# Allegro board 20250806_UNOQ.brd (continued)
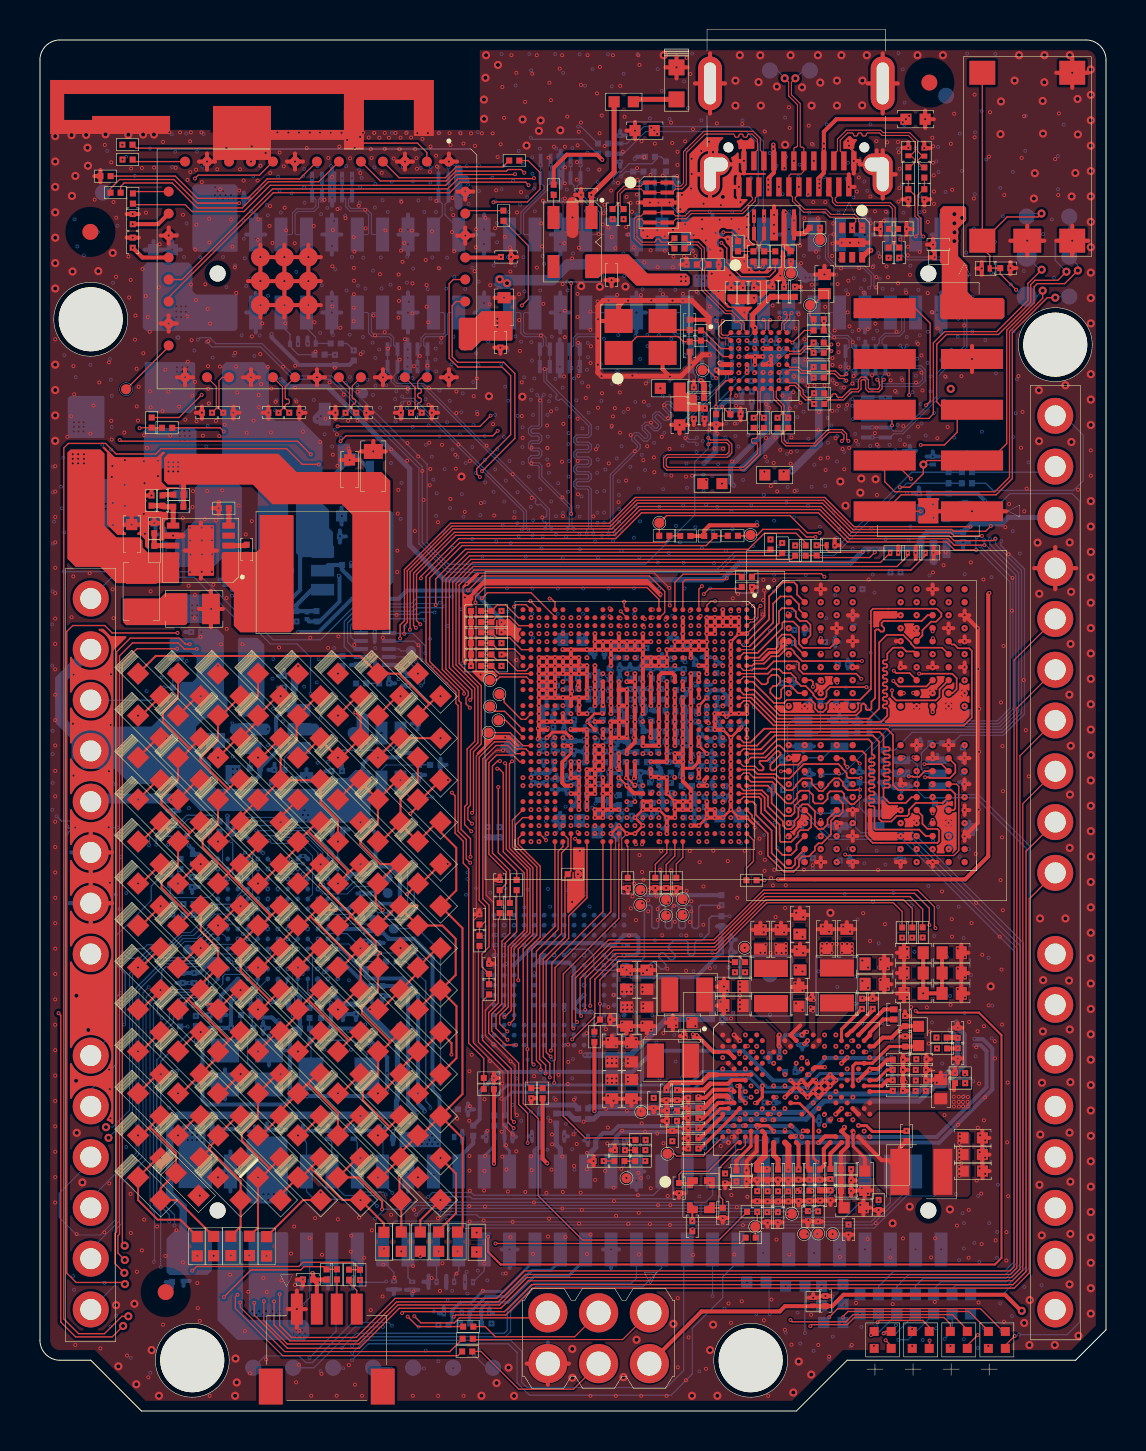
[diagram p0: board, top side]
## Routing (per net, layer and track width the routed paths; a pad name or vN(x,y) marks a point on that pad's centre or on a via; arc(x,y) is an arc through that point) (continued)
v4(10.99,61.15) v4(11.11,1.44) v4(11.22,40.38) v4(11.36,60.34) v4(11.41,55.79) v4(11.39,34.1) v4(11.41,33.3) v4(11.48,21.79) v4(11.63,36.63) v4(11.68,37.62) v4(11.66,35.13) v4(11.73,0.8) v4(11.83,50.56) v4(11.77,50.05) v4(11.91,61.74) v4(11.98,61.05) v4(12.2,35.62) v4(12.15,34.49) v4(12.18,33.63) v4(12.59,60.91) v4(12.71,62.26) v4(12.79,50.57) v4(12.78,34.1) v4(13.18,61.77) v4(13.21,36.23) v4(13.21,17.02) v4(13.7,50.58) v4(13.85,36.45) v4(13.95,37.6) v4(14.04,2) v4(14.24,48.85) v4(14.49,45.88) v4(14.48,39.88) v4(14.48,38.61) v4(14.48,37.34) v4(14.62,58.27) v4(14.61,55.51) v4(14.62,48.24) v4(14.72,59.53) v4(14.74,49.07) v4(14.72,38.17) v4(14.94,45.53) v4(15.02,46.23) v4(15.14,49.69) v4(15.06,48.68) v4(15.51,51.72) v4(15.75,18.29) v4(15.76,46.71) v4(15.88,51.31) v4(15.91,44.38) v4(16.09,61.69) v4(16.16,52.97) v4(16.39,51.59) v4(16.39,43.6) v4(16.36,42.98) v4(16.5,45.19) v4(16.73,62.21) v4(16.66,50.83) v4(16.78,61.38) v4(16.78,52.67) v4(16.79,51.28) v4(16.97,53.1) v4(17.04,51.79) v4(17.02,50.19) v4(17.02,47.7) v4(17.02,44.96) v4(17.14,60.57) v4(17.09,46.73) v4(17.11,44.47) v4(17.17,43.85) v4(17.33,51.31) v4(17.61,61.49) v4(17.57,47.42) v4(17.83,51) v4(17.77,50.62) v4(17.81,50.18) v4(17.79,49.49) v4(18.01,51.67) v4(18.05,44.62) v4(18.14,62.23) v4(18.07,60.55) v4(18.13,49.74) v4(18.09,46.43) v4(18.29,19.56) v4(18.29,17.02) v4(18.41,59.1) v4(18.41,58.36) v4(18.4,53.09) v4(18.38,50.98) v4(18.36,50.17) v4(18.46,55.49) v4(18.63,51.68) v4(18.66,61.52) v4(18.93,60.55) v4(18.94,4.21) v4(19.05,62.18) v4(19.29,50.61) v4(19.3,3.02) v4(19.5,51.62) v4(19.61,47.74) v4(19.68,46.59) v4(19.66,15.47) v4(19.71,4.97) v4(19.79,52.59) v4(19.83,52) v4(19.82,44.78) v4(19.85,45.91) v4(19.93,2.48) v4(19.99,51.04) v4(20.25,47.12) v4(20.4,5.53) v4(20.5,50.53) v4(20.52,45.16) v4(20.59,52.36) v4(20.64,51.65) v4(20.63,6.01) v4(20.83,11.94) v4(20.89,47.72) v4(21.11,45.87) v4(21.1,4.91) v4(21.21,53.48) v4(21.16,50.91) v4(21.19,44.73) v4(21.3,47.42) v4(21.35,6.96) v4(21.39,5.88) v4(21.68,51.47) v4(21.81,46.92) v4(21.94,52.31) v4(21.87,49.98) v4(21.91,7.03) v4(21.95,3.04) v4(21.96,62.3) v4(21.96,61.02) v4(22.1,37.34) v4(22.22,59.1) v4(22.21,58.37) v4(22.22,55.42) v4(22.24,45.46) v4(22.26,47.57) v4(22.28,46.45) v4(22.43,53.48) v4(22.4,29.2) v4(22.43,24.39) v4(22.41,23.77) v4(22.39,21.86) v4(22.38,6.54) v4(22.53,25.93) v4(22.5,17.53) v4(22.64,61.69) v4(22.7,45.98) v4(22.69,20.2) v4(22.69,16.25) v4(22.79,53.85) v4(22.78,47.1) v4(22.83,43.49) v4(22.77,24.41) v4(22.87,18.48) v4(23,29.2) v4(23.04,24.02) v4(23.04,23.54) v4(23.01,23.04) v4(22.98,21.27) v4(23.08,52.38) v4(23.09,22.56) v4(23.23,62.29) v4(23.16,25.25) v4(23.23,24.71) v4(23.28,51.24) v4(23.31,46.54) v4(23.26,26.16) v4(23.43,50.54) v4(23.54,20.75) v4(23.56,43.41) v4(23.64,15.31) v4(23.73,23.77) v4(23.67,19.21) v4(23.84,16.63) v4(23.95,63.03) v4(23.88,44.41) v4(23.95,23.09) v4(24.14,48.22) v4(24.11,20.24) v4(24.08,14.52) v4(24.23,51.7) v4(24.16,47.42) v4(24.23,25.2) v4(24.16,24.55) v4(24.39,26.07) v4(24.39,17.57) v4(24.51,18.43) v4(24.64,56.39) v4(24.64,53.85) v4(24.59,53.47) v4(24.62,52.54) v4(24.6,51.06) v4(24.56,50.59) v4(24.56,45.22) v4(24.57,15.5) v4(24.57,14.97) v4(24.74,51.65) v4(24.68,44.56) v4(24.73,21.9) v4(24.75,22.25) v4(25.03,19.17) v4(25.25,28.68) v4(25.23,16.62) v4(25.29,30.19) v4(25.3,29.52) v4(25.38,47.6) v4(25.41,26.11) v4(25.43,14.67) v4(25.39,13.07) v4(25.46,59.91) v4(25.54,50.78) v4(25.47,50.51) v4(25.53,25.23) v4(25.46,22.59) v4(25.52,22.02) v4(25.61,53.74) v4(25.56,23.75) v4(25.6,17.57) v4(25.71,15.65) v4(25.82,44.76) v4(25.8,30.2) v4(25.91,56.39) v4(25.91,47.5) v4(25.91,37.34) v4(25.85,28.95) v4(25.91,24.66) v4(26.02,59.11) v4(26.03,58.36) v4(26.05,61.65) v4(26.15,51.19) v4(26.11,28.41) v4(26.16,60.6) v4(26.16,44.92) v4(26.18,32.99) v4(26.23,25.12) v4(26.2,18.39) v4(26.27,53.7) v4(26.29,35.19) v4(26.3,30.23) v4(26.27,23.77) v4(26.31,14.37) v4(26.42,59.97) v4(26.42,45.98) v4(26.39,26.06) v4(26.48,47.52) v4(26.52,19.27) v4(26.64,16.64) v4(26.63,13.09) v4(26.72,22.8) v4(26.66,17.61) v4(26.74,12.07) v4(26.79,15.66) v4(26.82,14.01) v4(27,44.74) v4(27,35.61) v4(27.13,51.45) v4(27.18,23.94) v4(27.19,23.22) v4(27.22,21.3) v4(27.27,66.29) v4(27.29,32.48) v4(27.3,25.86) v4(27.41,53.42) v4(27.42,52.71) v4(27.37,52.08) v4(27.4,37.15) v4(27.5,25.23) v4(27.9,61.48) v4(27.89,53.11) v4(27.91,48.27) v4(27.87,45.98) v4(27.89,44.94) v4(27.89,44.43) v4(27.97,62.09) v4(28.05,52.37) v4(28.05,36.7) v4(28.06,34.58) v4(28.23,53.64) v4(28.24,46.02) v4(28.23,44.94) v4(28.23,44.43) v4(28.21,37.96) v4(28.28,30.67) v4(28.44,31.97) v4(28.43,30.25) v4(28.4,29.98) v4(28.55,52.67) v4(28.61,66.26) v4(28.61,51.38) v4(28.65,32.7) v4(28.84,28.97) v4(28.94,53.82) v4(28.9,52.02) v4(28.96,46.51) v4(28.99,45.12) v4(28.97,44.48) v4(28.98,31.92) v4(29.1,48.26) v4(29.11,44.06) v4(29.15,30.05) v4(29.34,53.22) v4(29.29,32.94) v4(29.5,37.07) v4(29.55,65.63) v4(29.72,43.69) v4(29.72,30.71) v4(29.79,53.78) v4(29.8,51.85) v4(29.79,50.48) v4(29.81,45.25) v4(30.03,52.62) v4(30.02,44.51) v4(30.05,31.92) v4(29.97,31.41) v4(30.12,35.61) v4(30.05,30.93) v4(30.23,49.76) v4(30.21,35) v4(30.39,53.83) v4(30.4,53.27) v4(30.45,50.3) v4(30.42,36.18) v4(30.45,32.38) v4(30.52,64.66) v4(30.45,51.52) v4(30.6,31.92) v4(30.65,32.37) v4(30.8,33.49) v4(30.94,31.48) v4(30.97,53.82) v4(30.99,45.23) v4(30.99,43.69) v4(31.14,44.52) v4(31.2,31.79) v4(31.27,37.55) v4(31.47,32.4) v4(31.82,44.27) v4(32.02,43.46) v4(31.96,32.93) v4(32.04,31.72) v4(32.15,48.29) v4(32.07,32.23) v4(32.18,45.3) v4(32.21,34.05) v4(32.35,63.09) v4(32.64,67.9) v4(32.8,49.52) v4(32.8,44.2) v4(32.79,34.52) v4(32.86,49.1) v4(32.85,47.98) v4(32.99,10.73) v4(32.99,1.98) v4(33.14,63.23) v4(33.12,49.87) v4(33.25,53.81) v4(33.34,45.34) v4(33.78,54.72) v4(34.05,28.92) v4(34,10.73) v4(34.2,46.23) v4(34.25,5.12) v4(34.48,61.47) v4(34.6,44.99) v4(34.8,48.77) v4(34.91,53.85) v4(34.99,53.41) v4(35,53.02) v4(34.95,48.24) v4(34.99,29.16) v4(35.1,62.44) v4(35.08,28.4) v4(35.19,46.58) v4(35.4,10.73) v4(35.53,63.33) v4(35.58,61.67) v4(35.59,45.3) v4(35.91,29.41) v4(35.85,4.86) v4(36.19,46.68) v4(36.22,45.82) v4(36.24,28.81) v4(36.52,62.92) v4(36.54,61.72) v4(36.5,53.92) v4(36.62,10.71) v4(36.7,15.4) v4(36.75,29.44) v4(36.85,62.29) v4(36.86,59.87) v4(36.91,28.16) v4(36.85,27.52) v4(37.34,62.74) v4(37.34,53.85) v4(37.34,52.58) v4(37.34,45.44) v4(37.31,3.92) v4(37.38,47.88) v4(37.41,46.22) v4(37.47,59.11) v4(37.47,54.72) v4(37.61,10.75) v4(37.82,50.24) v4(37.94,61.73) v4(37.87,48.01) v4(37.88,46.05) v4(37.91,28.75) v4(37.91,4.92) v4(38.02,62.34) v4(38.04,43.37) v4(38.04,3.38) v4(38.2,49.98) v4(38.22,10.9) v4(38.29,55.26) v4(38.61,62.74) v4(38.61,43.69) v4(38.61,9.4) v4(38.69,63.34) v4(38.71,3.01) v4(38.77,55.73) v4(38.84,54.77) v4(38.76,26.59) v4(38.9,49.9) v4(38.93,49.09) v4(38.9,28.68) v4(39.02,44.23) v4(38.96,21.99) v4(39.11,23.98) v4(39.22,61.7) v4(39.3,55.21) v4(39.35,50.48) v4(39.41,49.68) v4(39.48,2.59) v4(39.6,49.3) v4(39.72,62.73) v4(39.69,44.95) v4(39.74,28.13) v4(39.67,3.73) v4(39.9,55.4) v4(39.92,53.37) v4(39.9,21.21) v4(40.02,50.65) v4(39.99,44.11) v4(40.13,54.67) v4(40.09,53.92) v4(40.09,51.19) v4(40.3,63.3) v4(40.27,51.52) v4(40.33,50.12) v4(40.27,25.87) v4(40.43,62.44) v4(40.36,61.63) v4(40.42,10.36) v4(40.55,50.95) v4(40.47,28.14) v4(40.55,11.03) v4(40.56,3.23) v4(40.67,55.23) v4(40.75,55.75) v4(40.8,21.73) v4(40.78,20.36) v4(40.89,51.55) v4(40.94,45.2) v4(40.91,24.59) v4(41.04,52.96) v4(41,52.55) v4(41.06,52.06) v4(41.09,47.95) v4(41.09,47.17) v4(41.15,19.39) v4(41.09,4.21) v4(41.24,61.5) v4(41.25,27.39) v4(41.23,9.94) v4(41.3,53.09) v4(41.4,61.03) v4(41.55,54.17) v4(41.58,52.9) v4(41.63,51.11) v4(41.56,18.06) v4(41.7,53.64) v4(41.69,25.46) v4(41.85,50.02) v4(41.84,4.24) v4(41.85,3.15) v4(41.91,54.73) v4(41.88,54.05) v4(41.87,50.93) v4(41.91,49.43) v4(41.92,48.46) v4(41.93,47.78) v4(41.86,28.03) v4(41.94,11.03) v4(41.96,48.25) v4(41.97,23.39) v4(41.97,22.18) v4(41.95,10.39) v4(42.15,19.4) v4(42.17,47.1) v4(42.3,27.33) v4(42.42,58.93) v4(42.4,54.42) v4(42.51,48.33) v4(42.65,54.98) v4(42.58,49.92) v4(42.62,18.57) v4(42.6,17.73) v4(42.74,53.93) v4(42.71,52.47) v4(42.7,25.91) v4(42.79,48.06) v4(42.83,4.29) v4(42.94,63.13) v4(42.87,50.95) v4(42.89,50.11) v4(42.91,49.32) v4(42.95,67.92) v4(42.97,54.49) v4(42.97,49.74) v4(43.04,48.58) v4(43.12,61.34) v4(43.07,24.36) v4(43.1,20.74) v4(43.17,67.11) v4(43.16,3.3) v4(43.26,65.45) v4(43.26,54.97) v4(43.42,62.23) v4(43.36,50.42) v4(43.39,17.86) v4(43.38,16.25) v4(43.46,54.05) v4(43.48,49.77) v4(43.46,48.74) v4(43.55,19.34) v4(43.52,4.18) v4(43.61,25.29) v4(43.81,63.16) v4(43.76,22.97) v4(43.87,53.46) v4(43.89,52.64) v4(43.95,55.05) v4(43.95,54.16) v4(43.99,18.22) v4(44.22,16.78) v4(44.17,3.55) v4(44.51,55.87) v4(44.52,29.3) v4(44.45,26.27) v4(44.63,54.65) v4(44.63,53.49) v4(44.63,19.43) v4(44.69,28.52) v4(44.74,23.76) v4(44.84,62.51) v4(44.84,4.13) v4(44.94,63.23) v4(44.87,54.95) v4(44.94,25.21) v4(44.96,61.97) v4(45.15,17.39) v4(45.34,18.5) v4(45.32,15.48) v4(45.38,22.73) v4(45.53,20.77) v4(45.66,3.15) v4(45.83,10.85) v4(46.02,27.72) v4(45.97,25.23) v4(45.98,7.54) v4(46.12,62.02) v4(46.22,23.66) v4(46.23,15.75) v4(46.16,9.89) v4(46.23,8.13) v4(46.23,5.59) v4(46.23,3.6) v4(46.26,19.91) v4(46.39,67.9) v4(46.48,26.83) v4(46.59,21.82) v4(46.7,16.5) v4(46.76,67.04) v4(46.78,63.97) v4(46.82,17.75) v4(46.76,8.41) v4(46.95,10.76) v4(46.93,3.15) v4(46.99,7.46) v4(47.12,65.03) v4(47.23,4.15) v4(47.3,13.18) v4(47.46,22.67) v4(47.5,15.75) v4(47.5,14.48) v4(47.5,11.94) v4(47.5,9.4) v4(47.65,20.29) v4(47.62,18.64) v4(47.8,67.89) v4(47.94,11.31) v4(47.9,8.96) v4(47.88,7.66) v4(48.05,5.38) v4(48.1,3.99) v4(48.32,3.2) v4(48.63,4.75) v4(48.68,61.98) v4(49.26,6.21) v4(50.12,6.29) v5(0.65,47.23) v5(0.65,45.95) v5(0.65,43.39) v5(0.64,41) v5(0.62,39.34) v5(0.62,37.28) v5(0.63,34.03) v5(0.63,32.86) v5(0.63,31.41) v5(0.61,30.07) v5(0.7,44.48) v5(1.06,46.23) v5(1.1,45.16) v5(1.22,52.81) v5(1.17,47.68) v5(1.22,43.95) v5(1.51,42.62) v5(1.73,59.61) v5(1.68,46.91) v5(1.66,6.75) v5(1.7,6.07) v5(1.79,51.72) v5(1.86,58.26) v5(2.04,47.62) v5(2.2,57.8) v5(2.52,52.33) v5(2.55,46.91) v5(2.5,43.67) v5(2.9,58.97) v5(3.12,48.35) v5(3.1,47.47) v5(3.23,6.41) v5(3.37,63.03) v5(3.5,52.62) v5(3.54,51.59) v5(3.52,46.98) v5(3.49,27.13) v5(3.54,4.23) v5(3.6,50.78) v5(3.59,49.22) v5(3.56,48.09) v5(3.65,56.44) v5(3.79,25.82) v5(3.8,4.76) v5(3.88,59.29) v5(3.98,25.11) v5(4.05,27.72) v5(4.32,62.74) v5(4.32,25.91) v5(4.32,13.21) v5(4.53,28.5) v5(4.54,2.66) v5(4.75,61.78) v5(5.33,36.01) v5(5.5,63.16) v5(5.52,1.92) v5(6.08,36.7) v5(6.36,35.54) v5(6.42,28.34) v5(6.5,16.55) v5(6.46,15.17) v5(6.59,63.87) v5(6.61,62.22) v5(6.77,62.99) v5(6.85,58.85) v5(6.76,17.73) v5(6.86,17.02) v5(7.21,57.72) v5(7.18,25.36) v5(7.18,24.82) v5(7.32,63.91) v5(7.34,59.4) v5(7.34,37.52) v5(7.38,36.9) v5(7.5,46.48) v5(7.46,45.07) v5(7.46,30.16) v5(7.72,53.05) v5(7.8,18.54) v5(7.82,16.41) v5(7.86,62.99) v5(8.02,57.71) v5(8.14,62.24) v5(8.12,18.11) v5(8.19,63.88) v5(8.32,48.25) v5(8.29,46.91) v5(8.38,51.74) v5(8.44,50.38) v5(8.39,49.28) v5(8.54,32.83) v5(8.64,52.7) v5(9.08,19.14) v5(9.16,57.72) v5(9.33,56.22) v5(9.29,46.73) v5(9.31,11.88) v5(9.43,63.91) v5(9.4,26.61) v5(9.61,40.78) v5(9.62,34.4) v5(9.64,32.74) v5(9.69,52.8) v5(9.77,57.3) v5(10.09,53.81) v5(10.18,59.55) v5(10.2,58.64) v5(10.25,57.66) v5(10.32,56.27) v5(10.37,63.92) v5(10.39,41.81) v5(10.54,56.65) v5(10.48,39.88) v5(10.56,60.02) v5(10.67,61.77) v5(10.72,52.78) v5(10.72,46.73) v5(10.73,40.99) v5(10.81,58.64) v5(10.78,55.52) v5(10.86,57.52) v5(10.9,27.11) v5(11.03,62.26) v5(10.99,61.15) v5(10.99,53.8) v5(11.11,1.44) v5(11.23,56.71) v5(11.22,40.38) v5(11.36,60.34) v5(11.4,59.81) v5(11.41,55.79) v5(11.39,34.1) v5(11.41,33.3) v5(11.63,36.63) v5(11.68,63.95) v5(11.68,37.62) v5(11.66,35.13) v5(11.73,0.8) v5(11.79,57.68) v5(11.83,50.56) v5(11.77,50.05) v5(11.85,46.78) v5(11.91,61.74) v5(11.94,19.56) v5(11.98,61.05) v5(12.05,59.95) v5(12.2,35.62) v5(12.15,34.49) v5(12.18,33.63) v5(12.4,56.27) v5(12.36,37.77) v5(12.4,22.11) v5(12.47,57.71) v5(12.63,63.93) v5(12.59,60.91) v5(12.71,62.26) v5(12.83,56.98) v5(12.79,50.57) v5(12.83,39.5) v5(12.78,34.1) v5(12.84,32.37) v5(12.9,27.11) v5(13.07,18.1) v5(13.22,62.13) v5(13.18,61.77) v5(13.22,61.2) v5(13.24,60.44) v5(13.21,50.04) v5(13.21,36.23) v5(13.29,57.7) v5(13.36,15.74) v5(13.67,63.96) v5(13.7,50.58) v5(13.85,57.7) v5(13.85,36.45) v5(13.89,62.27) v5(13.95,37.6) v5(13.89,32.41) v5(14.02,53.93) v5(14.04,2) v5(14.07,59.87) v5(14.1,56.31) v5(14.05,34.67) v5(14.24,48.85) v5(14.22,33.69) v5(14.23,18.09) v5(14.38,60.18) v5(14.4,26.61) v5(14.4,23.11) v5(14.49,45.88) v5(14.65,63.93) v5(14.56,62.28) v5(14.62,60.7) v5(14.62,58.27) v5(14.61,55.51) v5(14.62,48.24) v5(14.72,59.53) v5(14.67,53.82) v5(14.74,49.07) v5(14.72,38.17) v5(14.78,57.11) v5(14.94,45.53) v5(15.01,60.16) v5(15.02,46.23) v5(15.14,49.69) v5(15.06,48.68) v5(15.17,15.74) v5(15.32,62.27) v5(15.27,59.79) v5(15.34,56.05) v5(15.42,19.02) v5(15.5,53.84) v5(15.51,51.72) v5(15.46,21.54) v5(15.61,57.73) v5(15.56,18.07) v5(15.75,20.83) v5(15.83,63.92) v5(15.76,46.71) v5(15.91,56.29) v5(15.88,51.31) v5(15.91,44.38) v5(15.97,62.09) v5(16.02,61.23) v5(16,60.44) v5(16.09,61.69) v5(16.18,57.69) v5(16.16,53.72) v5(16.16,52.97) v5(16.23,42.16) v5(16.28,56.15) v5(16.27,19.33) v5(16.39,51.59) v5(16.39,43.6) v5(16.36,42.98) v5(16.5,45.19) v5(16.48,18.27) v5(16.64,53.44) v5(16.73,63.92) v5(16.73,62.21) v5(16.66,57.04) v5(16.66,50.83) v5(16.7,18.9) v5(16.73,15.75) v5(16.78,61.38) v5(16.76,60.2) v5(16.78,52.67) v5(16.79,51.28) v5(16.77,38.16) v5(16.97,53.1) v5(17.04,51.79) v5(17.02,50.19) v5(17.02,47.7) v5(17.02,18.29) v5(17.14,60.57) v5(17.06,57.7) v5(17.09,56.15) v5(17.09,46.73) v5(17.11,44.47) v5(17.09,33.91) v5(17.17,43.85) v5(17.23,20.04) v5(17.33,51.31) v5(17.4,59.98) v5(17.37,36.9) v5(17.38,16.92) v5(17.54,56.34) v5(17.61,63.92) v5(17.61,61.49) v5(17.57,47.42) v5(17.83,51) v5(17.77,50.62) v5(17.81,50.18) v5(17.79,49.49) v5(17.94,36.61) v5(17.89,19.32) v5(18.01,51.67) v5(18.05,44.62) v5(18.14,62.23) v5(18.07,60.55) v5(18.13,49.74) v5(18.09,46.43) v5(18.26,39.23) v5(18.36,63.97) v5(18.41,59.1) v5(18.41,58.36) v5(18.37,57.74) v5(18.36,56.44) v5(18.4,53.09) v5(18.38,50.98) v5(18.36,50.17) v5(18.46,55.49) v5(18.63,51.68) v5(18.65,49.23) v5(18.66,61.52) v5(18.67,57.15) v5(18.93,60.55) v5(18.93,49.84) v5(18.94,4.21) v5(19.05,62.18) v5(19.16,63.92) v5(19.23,59.98) v5(19.29,50.61) v5(19.3,48.33) v5(19.3,3.02) v5(19.4,56.12) v5(19.45,49.3) v5(19.53,61.45) v5(19.54,60.65) v5(19.5,51.62) v5(19.51,38.62) v5(19.55,62.22) v5(19.63,57.7) v5(19.61,47.74) v5(19.64,37.23) v5(19.68,46.59) v5(19.71,4.97) v5(19.81,59.98) v5(19.8,53.15) v5(19.79,52.59) v5(19.83,52) v5(19.81,50.06) v5(19.82,44.78) v5(19.85,45.91) v5(19.93,2.48) v5(19.98,63.94) v5(19.99,57.15) v5(19.99,51.04) v5(20,48.76) v5(20.06,53.45) v5(20.25,47.12) v5(20.24,43.97) v5(20.33,56.14) v5(20.34,36.4) v5(20.37,57.69) v5(20.37,49.45) v5(20.41,39.26) v5(20.4,5.53) v5(20.5,50.53) v5(20.52,45.16) v5(20.6,60.12) v5(20.59,52.36) v5(20.64,51.65) v5(20.64,48.1) v5(20.64,43.18) v5(20.63,6.01) v5(20.73,56.74) v5(20.69,53.74) v5(20.75,62.38) v5(20.89,47.72) v5(21.03,63.95) v5(21.01,48.85) v5(21.12,57.7) v5(21.08,49.96) v5(21.11,45.87) v5(21.09,40.1) v5(21.13,37.4) v5(21.1,4.91) v5(21.21,59.98) v5(21.21,53.48) v5(21.16,50.91) v5(21.19,44.73) v5(21.23,38.55) v5(21.28,56.12) v5(21.3,47.42) v5(21.32,25.83) v5(21.35,62.27) v5(21.42,61.34) v5(21.45,60.38) v5(21.43,53.83) v5(21.35,6.96) v5(21.39,5.88) v5(21.49,60.83) v5(21.63,57.19) v5(21.63,48.22) v5(21.64,43.62) v5(21.68,51.47) v5(21.69,49.32) v5(21.82,52.91) v5(21.81,46.92) v5(21.82,26.15) v5(21.9,63.97) v5(21.95,56.49) v5(21.94,52.31) v5(21.87,49.98) v5(21.94,24.91) v5(21.91,7.03) v5(21.95,3.04) v5(21.96,62.3) v5(21.96,61.02) v5(22.03,44.81) v5(22.15,57.74) v5(22.14,42.74) v5(22.1,39.88) v5(22.15,18.75) v5(22.22,59.1) v5(22.21,58.37) v5(22.22,55.42) v5(22.25,48.77) v5(22.24,45.46) v5(22.2,23.71) v5(22.26,47.57) v5(22.28,46.45) v5(22.34,21.93) v5(22.27,20.57) v5(22.43,53.48) v5(22.4,29.2) v5(22.38,6.54) v5(22.53,25.93) v5(22.5,17.53) v5(22.64,61.69) v5(22.61,38.73) v5(22.7,57.3) v5(22.7,45.98) v5(22.69,16.25) v5(22.8,60.5) v5(22.84,55.83) v5(22.79,53.85) v5(22.77,49.83) v5(22.78,47.1) v5(22.83,43.49) v5(22.87,59.42) v5(22.87,58.46) v5(22.88,48.12) v5(23,29.2) v5(23.09,67.88) v5(23.1,61.12) v5(23.08,52.38) v5(23.23,62.29) v5(23.21,48.73) v5(23.23,45.49) v5(23.16,44.3) v5(23.16,25.25) v5(23.16,6.87) v5(23.28,51.24) v5(23.31,46.54) v5(23.26,26.16) v5(23.45,59.98) v5(23.42,57.72) v5(23.4,53.05) v5(23.43,50.54) v5(23.37,41.15) v5(23.4,39.99) v5(23.49,47.52) v5(23.56,43.41) v5(23.64,15.31) v5(23.67,61.53) v5(23.72,23.3) v5(23.8,66.31) v5(23.78,57.3) v5(23.79,53.76) v5(23.75,44.98) v5(23.84,16.63) v5(23.95,63.03) v5(23.89,49.78) v5(23.9,45.96) v5(23.88,44.41) v5(23.95,43.76) v5(24.02,60.35) v5(24.07,53.49) v5(24.15,49.21) v5(24.14,48.22) v5(24.08,14.52) v5(24.16,62.4) v5(24.19,57.72) v5(24.24,56.01) v5(24.23,51.7) v5(24.16,47.42) v5(24.23,25.2) v5(24.3,42.74) v5(24.38,60.72) v5(24.39,26.07) v5(24.39,17.57) v5(24.48,67.88) v5(24.46,46.74) v5(24.57,67.06) v5(24.63,62.71) v5(24.64,61.89) v5(24.59,53.47) v5(24.62,52.54) v5(24.6,51.06) v5(24.56,50.59) v5(24.56,45.22) v5(24.65,43.8) v5(24.64,41.15) v5(24.64,39.88) v5(24.57,15.5) v5(24.57,14.97) v5(24.73,61.14) v5(24.74,51.65) v5(24.67,49.82) v5(24.68,44.56) v5(24.67,38.68) v5(24.73,21.9) v5(24.76,60.01) v5(25.01,63.15) v5(25.03,56.05) v5(25.04,46.11) v5(25.15,57.77) v5(25.15,43.76) v5(25.09,43.15) v5(25.21,60.48) v5(25.22,57.38) v5(25.25,28.68) v5(25.23,16.62) v5(25.29,30.19) v5(25.3,29.52) v5(25.39,49.83) v5(25.41,48.74) v5(25.39,48.15) v5(25.38,47.6) v5(25.41,26.11) v5(25.43,14.67) v5(25.39,13.07) v5(25.46,59.91) v5(25.54,50.78) v5(25.47,50.51) v5(25.46,46.93) v5(25.53,25.23) v5(25.64,60.93) v5(25.61,53.74) v5(25.58,45.5) v5(25.6,17.57) v5(25.72,22.8) v5(25.71,15.65) v5(25.78,67.88) v5(25.83,63.15) v5(25.79,51.63) v5(25.82,44.76) v5(25.82,43.84) v5(25.8,30.2) v5(25.85,50.13) v5(25.93,46.41) v5(25.91,41.15) v5(25.91,39.88) v5(25.91,37.34) v5(25.85,28.95) v5(26.02,59.11) v5(26.03,58.36) v5(26.05,61.65) v5(26.15,51.19) v5(26.11,28.41) v5(26.18,66.94) v5(26.16,60.6) v5(26.16,44.92) v5(26.16,42.66) v5(26.18,32.99) v5(26.23,13.74) v5(26.27,53.7) v5(26.33,43.74) v5(26.29,35.19) v5(26.3,30.23) v5(26.31,14.37) v5(26.36,61.1) v5(26.42,59.97) v5(26.38,56.49) v5(26.4,56.06) v5(26.45,48.92) v5(26.44,48.37) v5(26.45,46.74) v5(26.42,45.98) v5(26.39,26.06) v5(26.51,49.74) v5(26.48,47.52) v5(26.64,63.18) v5(26.64,16.64) v5(26.63,13.09) v5(26.67,57.9) v5(26.73,51.65) v5(26.72,22.8) v5(26.66,17.61) v5(26.74,12.07) v5(26.83,50.56) v5(26.79,15.66) v5(26.82,14.01) v5(26.87,60.49) v5(26.91,45.24) v5(27,67.86) v5(27,44.74) v5(27,43.84) v5(27.02,43.11) v5(27,35.61) v5(27.13,51.45) v5(27.14,49.15) v5(27.1,45.75) v5(27.18,41.15) v5(27.18,39.88) v5(27.22,21.3) v5(27.27,66.29) v5(27.3,61.1) v5(27.32,60.03) v5(27.29,32.48) v5(27.3,25.86) v5(27.39,62.94) v5(27.43,62.1) v5(27.41,53.42) v5(27.42,52.71) v5(27.37,52.08) v5(27.45,49.94) v5(27.4,37.15) v5(27.5,25.23) v5(27.64,67.12) v5(27.75,60.63) v5(27.78,43.49) v5(27.9,61.48) v5(27.89,53.11) v5(27.89,49.18) v5(27.91,48.27) v5(27.91,47.59) v5(27.88,46.93) v5(27.87,45.98) v5(27.89,44.94) v5(27.89,44.43) v5(27.91,42.69) v5(27.97,62.09) v5(28.13,56.8) v5(28.05,52.37) v5(28.09,50.52) v5(28.12,43.79) v5(28.05,36.7) v5(28.06,34.58) v5(28.23,53.64) v5(28.24,46.02) v5(28.23,44.94) v5(28.23,44.43) v5(28.25,39.77) v5(28.21,37.96) v5(28.3,60.08) v5(28.29,47.09) v5(28.28,30.67) v5(28.43,67.86) v5(28.45,41.15) v5(28.44,31.97) v5(28.43,30.25) v5(28.4,29.98) v5(28.55,52.67) v5(28.61,66.26) v5(28.61,51.38) v5(28.6,49.21) v5(28.65,32.7) v5(28.67,43.51) v5(28.72,24.3) v5(28.72,22.8) v5(28.84,28.97) v5(28.94,53.82) v5(28.9,52.02) v5(28.86,47.65) v5(28.97,59.95) v5(28.96,46.51) v5(28.97,45.82) v5(28.99,45.12) v5(28.97,44.48) v5(28.98,31.92) v5(29.1,48.26) v5(29.11,44.06) v5(29.09,43.02) v5(29.15,30.05) v5(29.2,66.89) v5(29.2,57.9) v5(29.24,56.78) v5(29.2,49.97) v5(29.2,17.35) v5(29.18,12.29) v5(29.34,53.22) v5(29.29,32.94) v5(29.54,47.23) v5(29.5,37.07) v5(29.55,65.63) v5(29.72,43.69) v5(29.72,41.15) v5(29.72,39.88) v5(29.72,30.71) v5(29.73,21.21) v5(29.79,53.78) v5(29.8,51.85) v5(29.79,50.48) v5(29.81,45.25) v5(29.78,19.93) v5(29.77,18.82) v5(29.78,13.24) v5(29.84,11.53) v5(29.9,67.88) v5(29.86,16.64) v5(30.03,52.62) v5(29.95,46.14) v5(30.02,44.51) v5(29.98,42.72) v5(30.05,31.92) v5(29.97,31.41) v5(30.03,29.69) v5(30.15,56.11) v5(30.11,47.83) v5(30.12,35.61) v5(30.05,30.93) v5(30.23,49.76) v5(30.21,35) v5(30.27,47.07) v5(30.34,13.39) v5(30.42,56.79) v5(30.39,53.83) v5(30.4,53.27) v5(30.45,50.3) v5(30.42,36.18) v5(30.45,32.38) v5(30.43,11.7) v5(30.52,64.66) v5(30.45,51.52) v5(30.6,31.92) v5(30.64,19.8) v5(30.73,48.43) v5(30.65,32.37) v5(30.73,29.91) v5(30.7,21.24) v5(30.8,33.49) v5(30.77,23.54) v5(30.84,18.44) v5(30.91,67.12) v5(30.92,42.44) v5(30.94,31.48) v5(30.91,17.51) v5(31.04,56.07) v5(30.97,53.82) v5(30.99,45.23) v5(30.99,43.69) v5(30.99,41.15) v5(31,16.64) v5(31.11,66.03) v5(31.11,53.16) v5(31.15,50.76) v5(31.14,44.52) v5(31.24,48.93) v5(31.24,47.74) v5(31.18,46.11) v5(31.2,31.79) v5(31.31,46.84) v5(31.27,37.55) v5(31.5,64.63) v5(31.46,56.79) v5(31.47,52.38) v5(31.46,42.92) v5(31.47,32.4) v5(31.59,53.63) v5(31.57,51.62) v5(31.64,39.77) v5(31.64,20.27) v5(31.75,18.8) v5(31.79,56.09) v5(31.75,49.46) v5(31.82,44.27) v5(31.77,21.08) v5(31.8,17.48) v5(31.99,50.95) v5(31.97,48.98) v5(32.02,43.46) v5(31.96,32.93) v5(32.04,31.72) v5(32.15,48.29) v5(32.07,32.23) v5(32.08,23.8) v5(32.12,16.68) v5(32.23,66.51) v5(32.21,56.77) v5(32.21,53.44) v5(32.18,45.3) v5(32.2,42.42) v5(32.21,34.05) v5(32.26,56.39) v5(32.26,52.83) v5(32.26,52.16) v5(32.32,50.07) v5(32.34,47.39) v5(32.26,41.15) v5(32.42,65.17) v5(32.35,63.09) v5(32.38,59.96) v5(32.38,46.18) v5(32.5,51.49) v5(32.64,67.9) v5(32.7,22) v5(32.8,49.52) v5(32.8,44.2) v5(32.79,34.52) v5(32.94,55.93) v5(32.93,50.67) v5(32.86,49.1) v5(32.85,47.98) v5(32.94,20.48) v5(33.05,21.39) v5(32.99,10.73) v5(32.99,1.98) v5(33.09,64.56) v5(33.14,63.23) v5(33.12,49.87) v5(33.12,43.16) v5(33.07,23.8) v5(33.25,53.81) v5(33.23,51.65) v5(33.21,51.22) v5(33.17,48.52) v5(33.19,46.84) v5(33.2,46.02) v5(33.34,45.34) v5(33.41,39.62) v5(33.51,60) v5(33.55,51.28) v5(33.53,41.15) v5(33.58,63.62) v5(33.64,22.92) v5(33.66,51.66) v5(33.67,43.98) v5(33.73,42.41) v5(33.78,54.72) v5(33.78,22.22) v5(33.94,47.36) v5(33.9,45.22) v5(33.95,35.15) v5(34.05,28.92) v5(34,10.73) v5(34.2,46.23) v5(34.25,5.12) v5(34.34,49.4) v5(34.3,48.7) v5(34.33,43.02) v5(34.28,21.43) v5(34.44,22.18) v5(34.48,61.47) v5(34.49,47.81) v5(34.64,59.99) v5(34.6,44.99) v5(34.65,44.12) v5(34.73,51.66) v5(34.69,19.93) v5(34.8,48.77) v5(34.8,41.15) v5(34.87,49.4) v5(34.99,53.41) v5(35,53.02) v5(34.95,48.24) v5(34.99,29.16) v5(35.15,64.56) v5(35.1,62.44) v5(35.08,28.4) v5(35.19,46.58) v5(35.19,38.31) v5(35.26,49.99) v5(35.31,41.91) v5(35.44,48.83) v5(35.39,32.72) v5(35.4,10.73) v5(35.53,63.33) v5(35.48,31.2) v5(35.58,61.67) v5(35.59,51.52) v5(35.61,50.99) v5(35.59,45.3) v5(35.62,37.09) v5(35.67,43.27) v5(35.71,35.23) v5(35.83,39.62) v5(35.9,49.25) v5(35.88,44.47) v5(35.91,29.41) v5(35.85,4.86) v5(35.99,50.03) v5(36.19,46.68) v5(36.22,45.82) v5(36.24,28.81) v5(36.26,64.02) v5(36.38,47.51) v5(36.52,62.92) v5(36.54,61.72) v5(36.52,39.03) v5(36.52,19.84) v5(36.62,10.71) v5(36.73,44.53) v5(36.73,41.84) v5(36.72,40.99) v5(36.7,15.4) v5(36.8,46.48) v5(36.75,29.44) v5(36.85,62.29) v5(36.86,59.87) v5(36.91,28.16) v5(36.85,27.52) v5(36.95,43.26) v5(37.16,60.87) v5(37.2,20.34) v5(37.28,64.69) v5(37.34,62.74) v5(37.34,56.39) v5(37.34,52.58) v5(37.34,45.44) v5(37.31,3.92) v5(37.38,48.51) v5(37.38,47.88) v5(37.41,46.22) v5(37.51,60) v5(37.47,59.11) v5(37.47,54.72) v5(37.65,40.03) v5(37.61,10.75) v5(37.73,44.71) v5(37.82,50.24) v5(37.94,61.73) v5(37.9,49.72) v5(37.87,48.01) v5(37.88,46.05) v5(37.91,37.38) v5(37.91,28.75) v5(37.91,4.92) v5(38.02,62.34) v5(38.04,43.37) v5(38.04,3.38) v5(38.1,56.05) v5(38.22,57.79) v5(38.25,51.01) v5(38.2,49.98) v5(38.18,27.97) v5(38.22,10.9) v5(38.32,41.83) v5(38.41,60.8) v5(38.42,45.28) v5(38.49,59.95) v5(38.49,53.86) v5(38.47,50.45) v5(38.45,48.63) v5(38.61,46.23) v5(38.69,63.34) v5(38.71,56.08) v5(38.74,47.33) v5(38.71,3.01) v5(38.76,26.59) v5(38.9,36.3) v5(38.9,28.68) v5(38.96,57.73) v5(39.02,44.23) v5(38.96,21.99) v5(39.11,23.98) v5(39.22,61.7) v5(39.22,59.96) v5(39.23,53.64) v5(39.3,57.23) v5(39.3,46.27) v5(39.34,39.66) v5(39.37,64.36) v5(39.41,61.01) v5(39.39,56.09) v5(39.41,49.68) v5(39.43,48.44) v5(39.48,2.59) v5(39.56,53) v5(39.6,49.3) v5(39.72,62.73) v5(39.69,44.95) v5(39.74,28.13) v5(39.67,3.73) v5(39.75,51.41) v5(39.79,40.82) v5(39.85,56.84) v5(39.92,53.37) v5(39.88,50.04) v5(39.88,48.77) v5(39.88,47.5) v5(39.88,43.69) v5(39.9,21.21) v5(39.95,59.95) v5(40.02,57.6) v5(40.02,50.65) v5(39.99,44.11) v5(40.09,51.19) v5(40.24,47.98) v5(40.3,63.3) v5(40.33,56.06) v5(40.27,51.52) v5(40.33,50.12) v5(40.33,36.19) v5(40.27,25.87) v5(40.43,62.44) v5(40.36,61.63) v5(40.42,10.36) v5(40.55,50.95) v5(40.47,28.14) v5(40.55,11.03) v5(40.65,54.01) v5(40.56,3.23) v5(40.7,60.7) v5(40.71,56.67) v5(40.68,49.62) v5(40.66,43.12) v5(40.79,48.88) v5(40.8,21.73) v5(40.78,20.36) v5(40.89,51.55) v5(40.94,48.34) v5(40.94,45.2) v5(40.91,24.59) v5(40.96,53.64) v5(41.07,57.6) v5(41.08,56.15) v5(41.09,47.95) v5(41.09,47.17) v5(41.15,19.39) v5(41.09,4.21) v5(41.24,61.5) v5(41.25,56.58) v5(41.25,27.39) v5(41.23,9.94) v5(41.3,53.09) v5(41.4,61.03) v5(41.39,60) v5(41.39,49.7) v5(41.55,64.36) v5(41.54,48.27) v5(41.55,39.45) v5(41.52,36.15) v5(41.63,51.11) v5(41.6,44.14) v5(41.56,37.94) v5(41.56,18.06) v5(41.71,57.29) v5(41.7,53.64) v5(41.67,41.84) v5(41.69,25.46) v5(41.76,40.94) v5(41.84,4.24) v5(41.85,3.15) v5(41.91,54.73) v5(41.88,54.05) v5(41.93,47.78) v5(41.86,28.03) v5(41.94,11.03) v5(41.95,57.92) v5(42.02,56.64) v5(41.96,48.25) v5(41.97,23.39) v5(41.97,22.18) v5(41.95,10.39) v5(42.15,19.4) v5(42.17,56.14) v5(42.17,47.1) v5(42.33,49.7) v5(42.31,43.6) v5(42.3,27.33) v5(42.41,59.95) v5(42.51,48.33) v5(42.56,57.72) v5(42.65,56.1) v5(42.6,45.05) v5(42.62,18.57) v5(42.6,17.73) v5(42.71,52.47) v5(42.7,25.91) v5(42.79,48.06) v5(42.83,4.29) v5(42.94,63.13) v5(42.91,57.56) v5(42.87,50.95) v5(42.89,50.11) v5(42.91,49.32) v5(42.95,67.92) v5(42.97,49.74) v5(43.04,48.58) v5(43.12,61.34) v5(43.11,51.67) v5(43.07,24.36) v5(43.1,20.74) v5(43.17,67.11) v5(43.21,59.94) v5(43.26,65.45) v5(43.26,64.33) v5(43.31,56.07) v5(43.42,62.23) v5(43.37,53.72) v5(43.36,50.42) v5(43.38,45.92) v5(43.39,17.86) v5(43.38,16.25) v5(43.55,57.29) v5(43.48,49.77) v5(43.46,48.74) v5(43.55,44.24) v5(43.47,43.55) v5(43.55,19.34) v5(43.52,4.18) v5(43.61,25.29) v5(43.66,50.96) v5(43.81,63.16) v5(43.82,51.78) v5(43.76,22.97) v5(43.87,53.46) v5(43.89,52.64) v5(44.03,62.17) v5(44.05,60.77) v5(44.01,59.96) v5(43.95,56.08) v5(44.02,53.81) v5(43.99,18.22) v5(44.06,50.37) v5(44.11,49.39) v5(44.22,16.78) v5(44.17,3.55) v5(44.32,48.79) v5(44.44,53.99) v5(44.41,52.43) v5(44.39,3.15) v5(44.51,41.8) v5(44.52,29.3) v5(44.45,26.27) v5(44.57,51.75) v5(44.56,51) v5(44.63,19.43) v5(44.74,49.93) v5(44.69,28.52) v5(44.74,23.76) v5(44.84,62.51) v5(44.84,4.13) v5(44.94,63.23) v5(44.87,54.95) v5(44.94,25.21) v5(44.96,61.97) v5(44.96,15.75) v5(45.1,52.57) v5(45.15,17.39) v5(45.24,50.54) v5(45.31,60.98) v5(45.26,56.89) v5(45.33,51.72) v5(45.34,18.5) v5(45.32,15.48) v5(45.38,22.73) v5(45.53,20.77) v5(45.6,53.08) v5(45.74,48.69) v5(45.66,3.15) v5(45.82,57.37) v5(45.77,56.39) v5(45.83,10.85) v5(45.94,54.63) v5(45.92,53.74) v5(45.89,52.29) v5(46.02,63.9) v5(45.96,55.42) v5(46.02,27.72) v5(45.97,25.23) v5(45.98,7.54) v5(46.12,62.02) v5(46.22,23.66) v5(46.23,15.75) v5(46.16,9.89) v5(46.23,9.4) v5(46.23,8.13) v5(46.23,3.6) v5(46.34,57.95) v5(46.28,50.15) v5(46.27,41.85) v5(46.26,19.91) v5(46.39,67.9) v5(46.4,56.78) v5(46.4,52.84) v5(46.39,47.98) v5(46.48,26.83) v5(46.65,54.94) v5(46.65,54) v5(46.65,52.03) v5(46.59,21.82) v5(46.74,59.15) v5(46.66,55.75) v5(46.7,16.5) v5(46.76,67.04) v5(46.78,63.97) v5(46.78,60.87) v5(46.83,45.27) v5(46.82,17.75) v5(46.76,8.41) v5(46.95,10.76) v5(46.93,3.15) v5(46.99,7.46) v5(47.12,65.03) v5(47.13,48.98) v5(47.23,4.15) v5(47.3,53.56) v5(47.3,13.18) v5(47.35,62.6) v5(47.46,22.67) v5(47.5,9.4) v5(47.6,56.93) v5(47.55,50.44) v5(47.61,41.71) v5(47.65,20.29) v5(47.62,18.64) v5(47.8,67.89) v5(47.78,58.48) v5(47.83,51.91) v5(47.86,55.05) v5(47.94,11.31) v5(47.9,8.96) v5(47.88,7.66) v5(48.05,61.19) v5(48.01,47.47) v5(48.05,5.38) v5(48.1,3.99) v5(48.18,59.76) v5(48.32,3.2) v5(48.58,56.35) v5(48.63,4.75) v5(48.68,61.98) v5(48.7,54.01) v5(48.7,48.72) v5(48.67,44.01) v5(48.82,49.91) v5(48.87,58.87) v5(48.88,51.62) v5(49.02,42.89) v5(49.23,57.02) v5(49.33,64.78) v5(49.3,63.03) v5(49.26,6.21) v5(49.46,47.45) v5(50.12,6.29) v5(50.19,58.87) v5(50.63,59.6) v5(50.73,56.69) v5(50.94,62.77) v5(50.94,61.12) v5(51.23,64.34) v5(51.28,66.77) v6(0.76,63.77) v6(0.76,62.5) v6(0.76,61.23) v6(0.76,59.96) v6(0.76,58.69) v6(0.76,57.42) v6(0.76,56.15) v6(0.76,52.34) v6(0.76,51.07) v6(0.76,49.8) v6(0.76,48.53) v6(1.58,63.82) v6(1.6,60.78) v6(1.63,57) v6(1.77,61.78) v6(1.82,20.77) v6(1.8,16.52) v6(1.84,13.91) v6(2.12,11.44) v6(2.31,63.83) v6(2.38,63.19) v6(2.4,62.29) v6(2.42,19.06) v6(2.92,57.02) v6(3.28,63.86) v6(3.64,57.93) v6(3.81,5.29) v6(3.92,2.23) v6(4.42,63.84) v6(4.72,5.37) v6(4.82,1.34) v6(5.16,63.85) v6(5.59,3.05) v6(5.7,63.85) v6(5.95,0.76) v6(9.79,2.62) v6(9.85,1.43) v6(9.76,0.76) v6(21.09,46.74) v6(22.09,0.77) v6(22.21,65.6) v6(22.22,64.64) v6(22.32,67.82) v6(22.29,66.69) v6(22.46,50.76) v6(22.84,1.4) v6(22.91,67.33) v6(23.45,2.17) v6(23.72,0.76) v6(24.15,64.61) v6(24.14,50.73) v6(24.34,63.3) v6(24.96,64.03) v6(25.05,64.56) v6(26.04,64.06) v6(26.64,3.1) v6(26.64,1.67) v6(27.08,56.27) v6(28.02,56.23) v6(29.2,1.7) v6(29.3,56.24) v6(29.85,3.56) v6(31.21,67.82) v6(31.7,4.36) v6(32.62,0.76) v6(33.53,3.05) v6(33.68,4.32) v6(33.89,0.76) v6(34.17,60.73) v6(34.8,66.55) v6(34.8,65.3) v6(35.02,67.82) v6(36.04,67.81) v6(35.95,66.47) v6(36.07,65.3) v6(36.87,66.25) v6(37.28,63.34) v6(37.56,67.82) v6(37.69,0.92) v6(37.97,2.48) v6(38.13,66.21) v6(38.61,65.3) v6(38.59,1.82) v6(38.92,67.82) v6(39.04,66.45) v6(39.55,24.92) v6(39.88,66.55) v6(39.88,65.3) v6(40.05,46.49) v6(40.1,67.82) v6(40.3,45.28) v6(41.05,45.94) v6(41.15,66.55) v6(41.14,65.31) v6(41.09,46.65) v6(41.37,67.82) v6(41.81,46.61) v6(42.66,9.39) v6(43.52,10.22) v6(43.91,67.82) v6(45.18,67.82) v6(45.53,10.09) v6(47.57,21.24) v6(48.09,65.5) v6(48.06,63.87) v6(48.77,66.55) v6(48.99,67.82) v6(49.24,4.41) v6(49.52,5.55) v6(49.51,3.3) v6(49.73,60.65) v6(49.77,61.91) v6(49.91,43.44) v6(49.98,51.06) v6(49.99,48.52) v6(50,40.88) v6(50.04,24.64) v6(50.05,13.83) v6(50.01,11.31) v6(50.13,16.42) v6(50.12,8.79) v6(50.17,65.53) v6(50.19,63.9) v6(50.2,21.55) v6(50.18,18.99) v6(50.26,67.82) v6(50.26,66.47) v6(50.78,3.3) v6(51.31,51.31) v6(51.31,24.64) v6(51.53,67.82) v6(51.52,43.45) v6(51.51,35.83) v6(51.53,30.84) v6(51.52,28.17) v6(51.49,21.53) v6(51.52,19.09) v6(51.52,13.93) v6(51.52,6.33) v6(51.62,60.75) v6(51.6,48.47) v6(51.59,40.98) v6(51.56,38.37) v6(51.58,33.27) v6(51.55,16.45) v6(51.55,11.47) v6(51.55,8.86) v6(51.8,61.92) v6(51.91,65.63) v6(51.93,63.85) v6(51.96,3.76) v6(52.58,67.1) v6(52.58,65.83) v6(52.58,64.56) v6(52.58,63.29) v6(52.58,62.02) v6(52.58,60.75) v6(52.58,59.48) v6(52.58,58.21) v6(52.58,56.94) v6(52.58,55.67) v6(52.58,54.4) v6(52.58,51.86) v6(52.58,50.59) v6(52.58,49.32) v6(52.58,45.51) v6(52.58,44.24) v6(52.58,42.97) v6(52.58,41.7) v6(52.58,40.43) v6(52.58,39.16) v6(52.58,37.89) v6(52.58,36.62) v6(52.58,35.35) v6(52.58,34.08) v6(52.58,32.81) v6(52.58,31.54) v6(52.58,30.27) v6(52.58,29) v6(52.58,27.73) v6(52.58,26.46) v6(52.58,25.19) v6(52.58,23.92) v6(52.58,22.65) v6(52.58,21.38) v6(52.58,20.11) v6(52.58,18.84) v6(52.58,17.57) v6(52.58,16.3) v6(52.58,15.03) v6(52.58,13.76) v6(52.58,12.49) v6(52.58,11.22) v6(52.58,9.95) v6(52.58,8.68) v6(52.58,7.41) v6(52.58,6.14) v6(52.58,4.87)
